# Altium PCB PCB.PcbDoc (part 1 of 3) (continued)
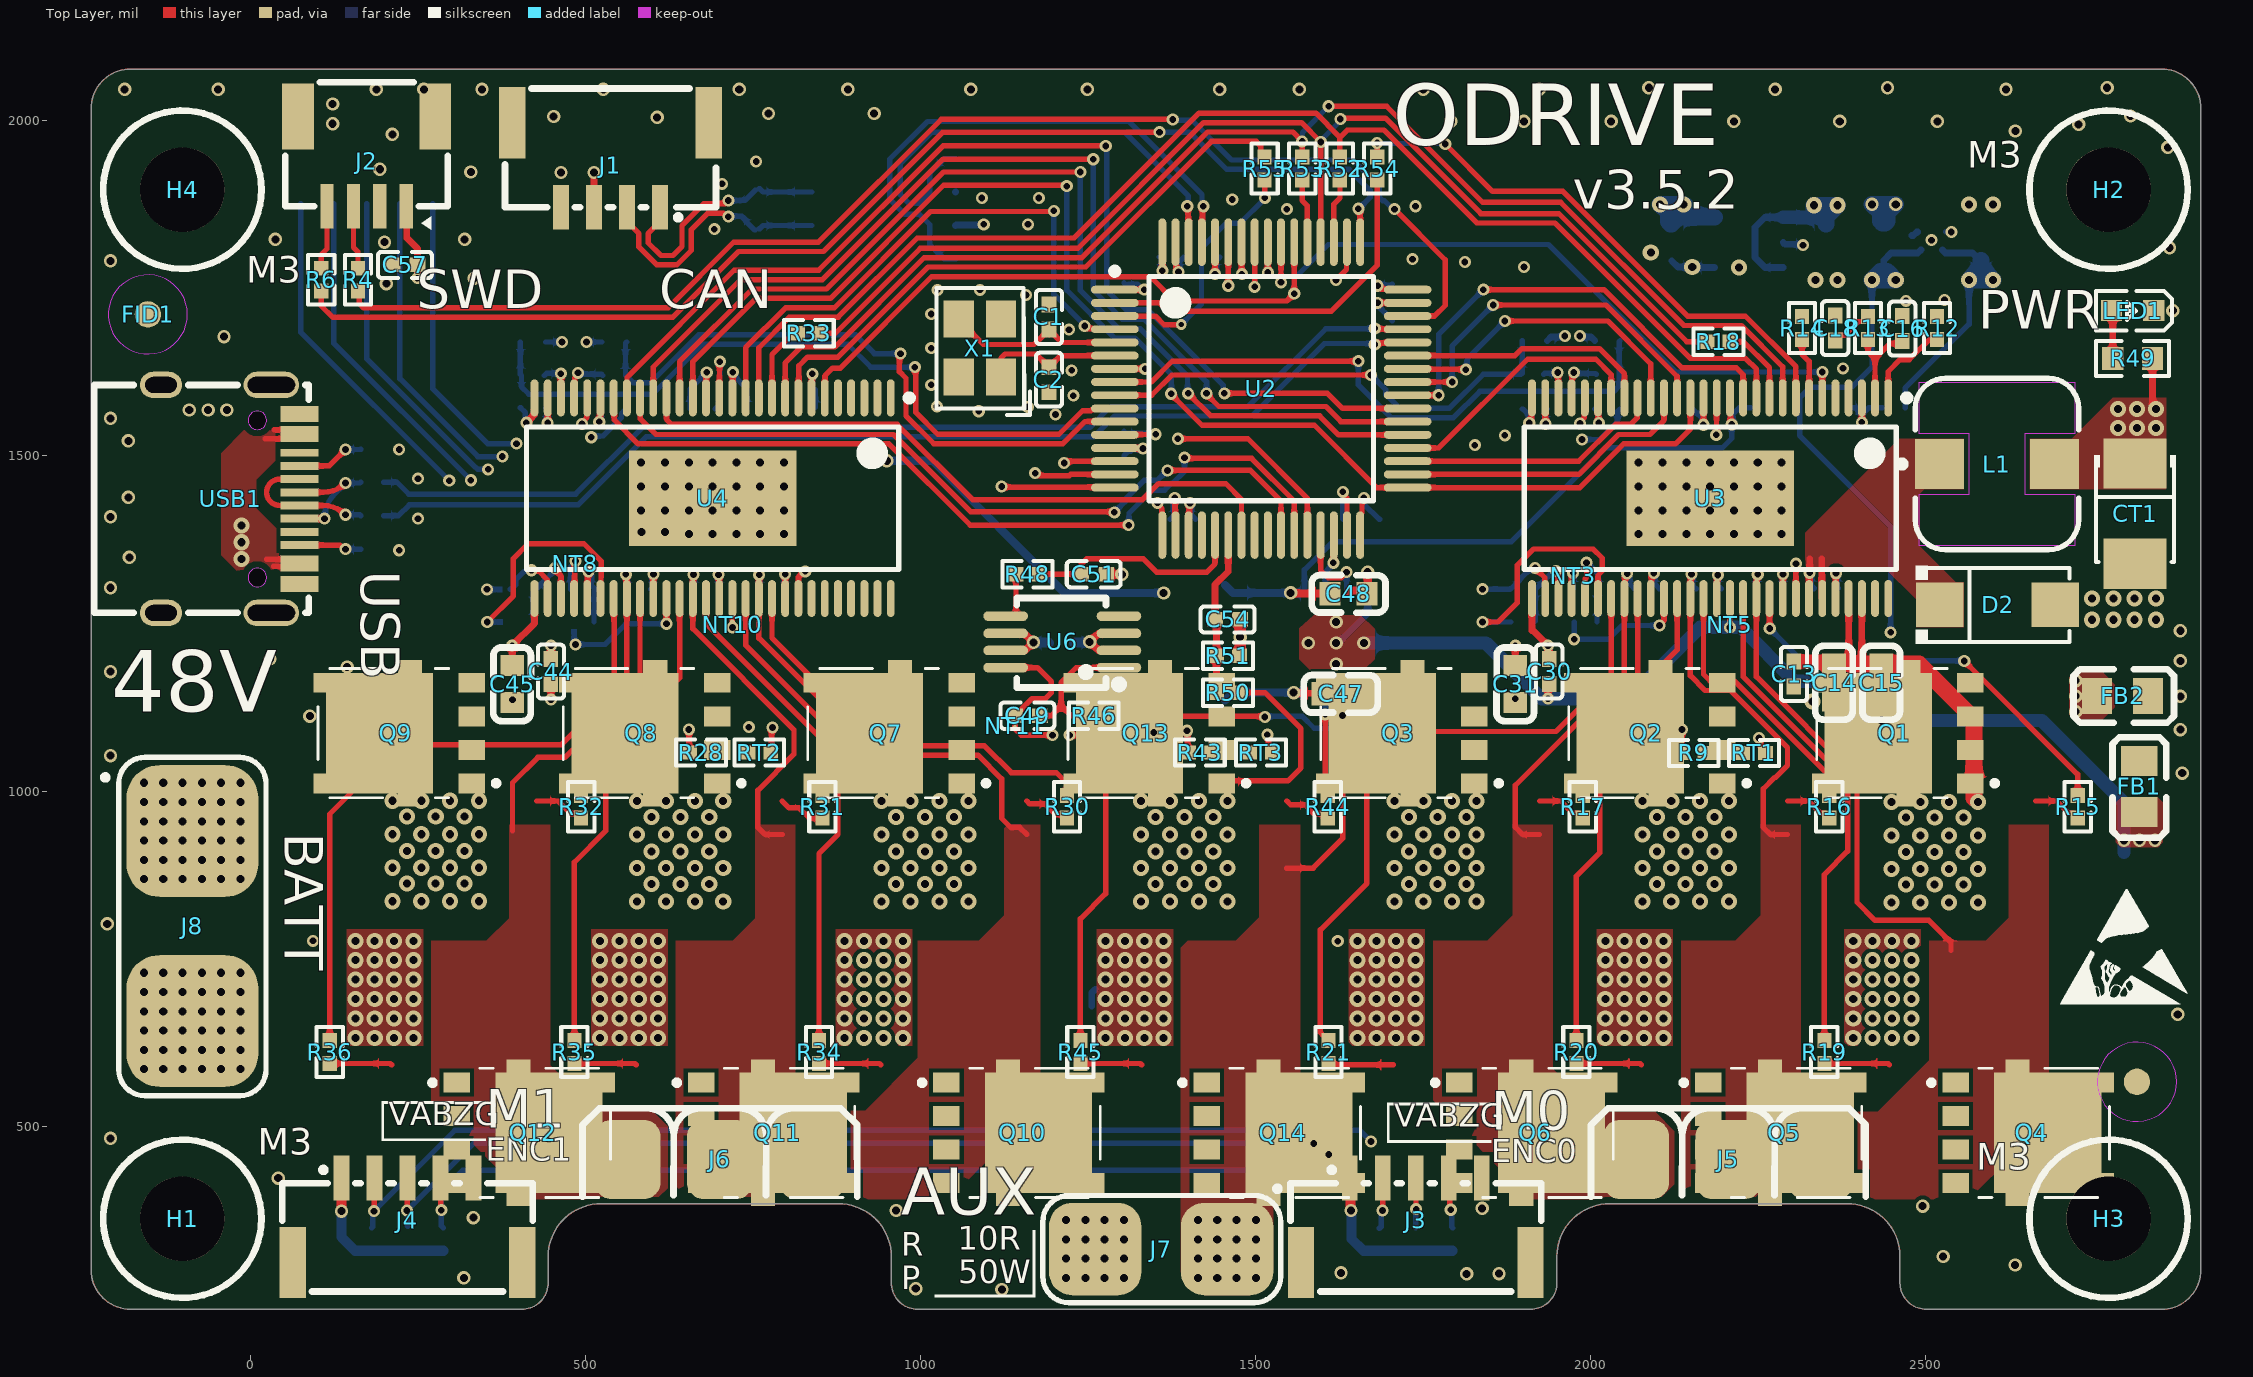
[diagram p0: Top Layer view]
## Design rules (kind name [scope] priority, off if disabled: settings)
AcuteAngle [All] p1: minimum=8.95990000000000E+0001 checktracksonly=TRUE
BoardOutlineClearance BoardOutlineClearance_Power [OnLayer('Signal')] p1: gap=40 ignorepadtopadclearanceinfootprint=FALSE
BoardOutlineClearance [All] p2: gap=10 ignorepadtopadclearanceinfootprint=FALSE except(0: Arc-SplitContinuation Track-SplitContinuation SMDPad-SplitContinuation THPad-SplitContinuation Via-SplitContinuation Fill-SplitContinuation Poly-SplitContinuation Region-SplitContinuation Text-SplitContinuation)
Clearance Clearance_NETTIE [IsNetTieComponent] p1: gap=0 ignorepadtopadclearanceinfootprint=TRUE
Clearance [All] p2: gap=6 ignorepadtopadclearanceinfootprint=TRUE
ComponentClearance [All] p1: gap=-3937.01 collisioncheckmode=3 verticalgap=100000 showdistances=FALSE
DiffPairsRouting DiffPair_DiffPairsRouting [InDifferentialPair ('CAN_MCU')] p1: maxlimit=20 minlimit=8 mostfreqgap=8 toplayer_minwidth=8 toplayer_maxwidth=20 toplayer_prefwidth=8 midlayer1_minwidth=8 midlayer1_maxwidth=20 midlayer1_prefwidth=8 midlayer2_minwidth=8 midlayer2_maxwidth=20 midlayer2_prefwidth=8 bottomlayer_minwidth=8 bottomlayer_maxwidth=20 bottomlayer_prefwidth=8 maxuncoupledlength=500
FanoutControl Fanout_LCC [IsLCC] p1: bgadir=Out bgaviamode=Centered fanoutstyle=Auto fanoutdirection=Alternating viagrid=1 // Fanout_LCC (Default Rule)
FanoutControl Fanout_SOIC [IsSOIC] p2: bgadir=Out bgaviamode=Centered fanoutstyle=Auto fanoutdirection=Alternating viagrid=1 // Fanout_SOIC (Default Rule)
FanoutControl Fanout_Small [(CompPinCount < 5)] p3: bgadir=Out bgaviamode=Centered fanoutstyle=Auto fanoutdirection=OutThenIn viagrid=1 // Fanout_Small (Default Rule)
FanoutControl Fanout_Default [All] p4: bgadir=Out bgaviamode=Centered fanoutstyle=Auto fanoutdirection=Alternating viagrid=1 // Fanout_Default (Default Rule)
HoleSize [All] p1: absolutevalues=TRUE maxlimit=250 minlimit=6 maxpercent=80.000 minpercent=20.000
HoleToHoleClearance [All] p1: gap=8 allowstackedmicrovias=TRUE
Length [All] p1: maxlimit=100000 minlimit=0
MatchedLengths DiffPair_MatchedLengths [InDifferentialPair ('CAN_MCU')] p1: tolerance=1000 checknetsindiffpair=FALSE checkdiffpairvsdiffpair=TRUE checkxsignals=TRUE checkothers=TRUE
MinimumAnnularRing [All] p1: minimumring=3
MinimumSolderMaskSliver MinimumSolderMaskSliver_USB [HasFootprint('USB-C-16P')] p1: minsoldermaskwidth=1
MinimumSolderMaskSliver MinimumSolderMaskSliver_Comp [HasFootprint('MSOP-8_L3.0-W3.0-P0.65-LS5.0-BL')] p2: minsoldermaskwidth=1
MinimumSolderMaskSliver MinimumSolderMaskSliver_NETTIE [HasFootprint('NETTIE_8MIL')] p3: minsoldermaskwidth=0
MinimumSolderMaskSliver MinimumSolderMaskSliver_RP [HasFootprint('RES-ARRAY-SMD_0603-8P-L3.2-W1.6-BL')] p4: minsoldermaskwidth=0.5
MinimumSolderMaskSliver MinimumSolderMaskSliver_RP_1 [HasFootprint('ZQFN-4L_L1.0-W1.0-P0.63-BL-EP')] p5: minsoldermaskwidth=0
MinimumSolderMaskSliver MinimumSolderMaskSliver_LDO [HasFootprint('SOT-23-5_L3.0-W1.7-P0.95-LS2.8-BR')] p6: minsoldermaskwidth=2
MinimumSolderMaskSliver [All] p7: minsoldermaskwidth=6
PlaneConnect [All] p1: planeconnectstyle=Direct reliefexpansion=20 reliefentries=4 reliefconductorwidth=10 reliefairgap=10
PolygonConnect PolygonConnect_GND [IsPad vs InNet('GND')] p1: connectstyle=Relief reliefconductorwidth=10 reliefentries=4 polygonreliefangle="90 Angle" airgapwidth=10
PolygonConnect [All] p2: connectstyle=Direct reliefconductorwidth=10 reliefentries=4 polygonreliefangle="90 Angle" airgapwidth=10
RoomDefinition U_Power [InComponentClass('U_Power')] p1: confinementstyle=ConfineIn formatcopy=TRUE lockcomponents=FALSE outline -2543.8,-846.4 -543.8,-846.4 -543.8,153.6 -2543.8,153.6
RoutingPriority RoutingPriority_Power [InNet('3V3')] p1: routingpriority=5
RoutingPriority RoutingPriority_Power_1 [InNet('A3V3')] p2: routingpriority=4
RoutingPriority RoutingPriority_Power_2 [InNet('DCBUS')] p3: routingpriority=3
RoutingPriority [All] p4: routingpriority=0
RoutingVias [All] p1: holewidth=10 width=20 viastyle="Through Hole" minholewidth=8 minwidth=10 maxholewidth=80 maxwidth=160
SilkToSilkClearance [All] p1: silktosilkclearance=0
SilkToSolderMaskClearance [IsPad] p1: minsilkscreentomaskgap=0 clearancetoexposedcopper=FALSE
SolderMaskExpansion SolderMaskExpansion_Pad [InPadClass('All Pads')] p1: expansion=4 istentingtop=FALSE
SolderMaskExpansion [All] p2: expansion=4 istentingtop=TRUE
SupplyNets "Schematic Supply Nets" [InNet('VCC16V8_DCBUS')] p1: voltage=0.000
SupplyNets "Schematic Supply Nets_12" [InNet('VCC3V3_ASYS')] p2: voltage=0.000
SupplyNets "Schematic Supply Nets_10" [InNet('VCC3V3_SYS')] p3: voltage=0.000
SupplyNets "Schematic Supply Nets_9" [InNet('VCC5V0_SYS')] p4: voltage=0.000
SupplyNets "Schematic Supply Nets_7" [InNet('AGND')] p5: voltage=0.000
SupplyNets "Schematic Supply Nets_6" [InNet('PGND')] p6: voltage=0.000
SupplyNets "Schematic Supply Nets_4" [InNet('GND')] p7: voltage=0.000
SupplyNets "Schematic Supply Nets_2" [InNet('GVDD')] p8: voltage=0.000
SupplyNets "Schematic Supply Nets_1" [InNet('USB_5V')] p9: voltage=0.000
UnRoutedNet UnRoutedNet_NETTIE [IsNetTieComponent] p1:
UnRoutedNet [All] p2: checkbadconnections=TRUE
Width Width_MOS [InComponent('U6')] p1: maxlimit=16 minlimit=6 preferedwidth=10 checkconnectedcopper=TRUE
Width Width_Driver [InComponent('U4') And InComponent('U5')] p2: maxlimit=16 minlimit=6 preferedwidth=8 checkconnectedcopper=TRUE
Width [All] p3: maxlimit=999 minlimit=6 preferedwidth=10
15 further rules are at their usual default settings.

## Classes and differential pairs
net class GPIO_[1..5]: GPIO_1 GPIO_2 GPIO_3 GPIO_4 GPIO_5
component class U_Port: C57 D1 J1 J2 J3 J4 J9 R1 R2 R3 R4 R6 R7 R56 R57 R58 R59 R60 R61 USB1
component class U_Power: C52 C53 C54 C55 C56 CE1 CE2 CE3 CE4 FB1 FB2 J8 LED1 R49 R50 R51 U7 U8
component class U_Control: C1 C2 C3 C4 C5 C6 C7 C8 C9 C10 C11 FID1 FID2 H1 H2 H3 H4 M3x4 R5 R8 R52 R53 R54 R55 U1 U2 X1
component class U_MotorCell_noPow: C32 C33 C34 C35 C36 C37 C38 C39 C40 C41 C42 C43 C44 C45 J6 NT6 NT7 NT8 NT9 NT10 Q7 Q8 Q9 Q10 Q11 Q12 R28 R29 R30 R31 R32 R33 R34 R35 R36 R37 R38 R39 R40 R41 R42 RT2 U4
component class U_MotorCell: C12 C13 C14 C15 C16 C17 C18 C19 C20 C21 C22 C23 C24 C25 C26 C27 C28 C29 C30 C31 CT1 D2 J5 L1 NT1 NT2 NT3 NT4 NT5 Q1 Q2 Q3 Q4 Q5 Q6 R9 R10 R11 R12 R13 R14 R15 R16 R17 R18 R19 R20 R21 R22 R23 R24 R25 R26 R27 RT1 U3
component class U_AuxHalfH: C46 C47 C48 C49 C50 C51 D3 J7 NT11 Q13 Q14 R43 R44 R45 R46 R47 R48 RT3 U5 U6
differential pair CAN: +CAN_P -CAN_N
differential pair CAN_MCU: +CAN_MCU_P -CAN_MCU_N
differential pair OSC: +OSC_P -OSC_N
differential pair USB: +USB_P -USB_N
differential pair SENSE: +SENSE_P -SENSE_N

## Components (designator, comment, footprint, x,y, rotation, side; value= is the part's Value field where it differs from the comment)
C1 "10pF ±5%_X7R" C0402 1191.93,1688.57 r90 top
C2 "10pF ±5%_X7R" C0402 1191.93,1632.38 r270 top
C3 "100nF ±5%_X7R" C0402 1722.61,1405.67 r180 bottom
C4 "100nF ±5%_X7R" C0402 1373.08,1405.67 r0 bottom
C5 "F ±5%_X7R" C0402 1303.81,1795.56 r270 bottom
C6 "F ±5%_X7R" C0402 1703.81,1793.61 r270 bottom
C7 "F ±5%_X7R" C0402 1393.81,1796.8 r180 bottom
C8 "100nF ±5%_X7R" C0402 1303.81,1536.8 r270 bottom
C9 "2.2uF ±5%_X7R" C0603 1703.81,1664.43 r90 bottom
C10 "2.2uF ±5%_X7R" C0603 1593.71,1405.67 r0 bottom
C11 "100nF ±5%_X7R" C0402 1303.81,1596.8 r90 bottom
C12 "2.2uF ±5%_X7R" C0402 1530.93,1512 r270 bottom
C13 "100nF ±5%_X7R" C0402 2303.38,1155.89 r90 top
C14 "4.7uF ±5%_X7R" C0603 2363.32,1161.8 r90 top
C15 "4.7uF ±5%_X7R" C0603 2433.81,1161.8 r90 top
C16 "82pF ±5%_X7R" C0402 2465.02,1708.64 r270 top
C17 "100nF ±5%_X7R" C0402 2332.45,1302.56 r0 bottom
C18 "270pF ±5%_X7R" C0402 2364.93,1709.43 r270 top
C19 "100nF ±5%_X7R" C0402 2245.05,1301.8 r0 bottom
C20 "100nF ±5%_X7R" C0402 2157.64,1301.8 r0 bottom
C21 "2.2uF ±5%_X7R" C0603 2276.21,1571.8 r180 bottom
C22 "22nF ±5%_X7R" C0603 2188.12,1571.11 r180 bottom
C23 "100nF ±5%_X7R" C0402 2066.21,1301.8 r0 bottom
C24 "2.2uF ±5%_X7R" C0603 2006.41,1569.96 r0 bottom
C25 "2.2nF ±5%_X7R" C0402 1974,1301.8 r0 bottom
C26 "2.2nF ±5%_X7R" C0402 1880.12,1301.8 r0 bottom
C27 "2.2nF ±5%_X7R" C0402 2006.41,1671.8 r0 bottom
C28 "2.2nF ±5%_X7R" C0402 1935.27,1671.8 r180 bottom
C29 "2.2uF ±5%_X7R" C0603 1897.87,1569.96 r0 bottom
C30 "100nF ±5%_X7R" C0402 1938.23,1159.52 r90 top
C31 "4.7uF ±5%_X7R" C0603 1887.71,1159.52 r90 top
C32 "2.2uF ±5%_X7R" C0402 1424.25,1512 r270 bottom
C33 "100nF ±5%_X7R" C0402 759.93,1300.85 r0 bottom
C34 "100nF ±5%_X7R" C0402 662.33,1300.85 r0 bottom
C35 "2.2uF ±5%_X7R" C0603 778.81,1569.96 r180 bottom
C36 "22nF ±5%_X7R" C0402 693.81,1569.96 r180 bottom
C37 "100nF ±5%_X7R" C0402 567.86,1300.85 r0 bottom
C38 "2.2uF ±5%_X7R" C0603 524.42,1569.96 r0 bottom
C39 "2.2nF ±5%_X7R" C0402 478.01,1300.85 r0 bottom
C40 "2.2nF ±5%_X7R" C0402 388.29,1300.85 r0 bottom
C41 "2.2nF ±5%_X7R" C0402 524.42,1669.99 r0 bottom
C42 "2.2nF ±5%_X7R" C0402 440.68,1669.99 r180 bottom
C43 "2.2uF ±5%_X7R" C0603 403.27,1569.96 r0 bottom
C44 "100nF ±5%_X7R" C0402 448.81,1159.52 r90 top
C45 "4.7uF ±5%_X7R" C0603 390.98,1159.52 r90 top
C46 "2.2uF ±5%_X7R" C0402 1480.85,1511.65 r270 bottom
C47 "100nF ±5%_X7R" C0603 1626.93,1145.08 r180 top
C48 "2.2uF ±5%_X7R" C0603 1638.74,1294.26 r180 top
C49 "2.2uF ±5%_X7R" C0402 1141.08,1112.39 r0 top
C50 "100nF ±5%_X7R" C0402 1229.31,1221.01 r180 bottom
C51 "2.2uF ±5%_X7R" C0402 1277.38,1323.57 r180 top
C52 "1uF ±5%_X7R" C0603 2582.58,1819.56 r270 bottom
C53 "1uF ±5%_X7R" C0603 2437.58,1819.56 r270 bottom
C54 "2.2uF ±5%_X7R" C0402 1477.12,1255.97 r180 top
C55 "10uF ±5%_X7R" C0603 2351.09,1818.61 r90 bottom
C56 "10uF ±5%_X7R" C0603 2121.09,1818.61 r90 bottom
C57 "100nF ±5%_X7R" C0402 212.3,1784.94 r0 top
CE1 "470uF / 35V" CAP_ELEC_SIZE_G 425.69,789.51 r0 bottom
CE2 "470uF / 35V" CAP_ELEC_SIZE_G 1139.69,789.51 r0 bottom
CE3 "470uF / 35V" CAP_ELEC_SIZE_G 2605.69,789.51 r0 bottom
CE4 "470uF / 35V" CAP_ELEC_SIZE_G 1883.69,789.51 r0 bottom
CT1 "68uF ±10% 10V" CAP-SMD-R-RD 2812.33,1413.85 r90 top value=330uF
D1 "B340A-13-F" SMA_L4.4-W2.6-LS5.0-RD -62.67,1435.85 r270 bottom
D2 "B340A-13-F" SMA_L4.4-W2.6-LS5.0-RD 2607.33,1277.85 r0 top
D3 "B340A-13-F" SMA_L4.4-W2.6-LS5.0-RD 1454.53,1221.21 r90 bottom
FB1 "?Ω@100MHz" L0805 2818.81,1006.8 r90 top
FB2 "?Ω@100MHz" L0805 2793.81,1141.8 r180 top
FID1 "MARK Point" FIDUCIAL -152.53,1711.07 r0 top
FID2 "MARK Point" FIDUCIAL 2815.22,566.12 r90 bottom
H1 "M3" M3_NPTH -101.19,361.8 r0 top
H2 "M3" M3_NPTH 2772.83,1897.23 r0 top
H3 "M?" M3_NPTH 2772.83,361.8 r0 top
H4 "M3" M3_NPTH -101.19,1897.23 r0 top
J1 "GH1.25-4P" GH1.25-4P 538.81,1945.94 r180 top
J2 "SH1.0-4P" CONN-SMD_4P-P1.00_BX-SH1.0-4PWT 173.81,1939.4 r180 top
J3 "GH1.25-5P" GH1.25-5P 1739.17,359.68 r0 top
J4 "GH1.25-5P" GH1.25-5P 234.75,359.68 r0 top
J5 "MR30PB-F" "MR30PB-F [Straight] [SMT]" 2205.7,391.69 r180 top
J6 "MR30PB-F" "MR30PB-F [Straight] [SMT]" 701.01,391.69 r180 top
J7 "2square_pads" 2pads_square 1457.69,316.51 r270 top
J8 "XT60_2pads" XT60_2pads -86.19,940.26 r270 top
J9 "GH1.25-6P" GH1.25-6P 198.81,1939.4 r0 bottom
L1 "22uH, 2A" WE-PD_6050R 2606.33,1487.85 r0 top
LED1 "Green" LED0603-RD 2808.81,1716.8 r180 top
NT1 "?mil" NETTIE_8MIL#1 1975.41,1234.48 r270 bottom net-tie
NT2 "?mil" NETTIE_8MIL#1 1861.7,1252.11 r180 bottom net-tie
NT3 "?mil" NETTIE_8MIL#2 1974,1325.52 r270 top net-tie
NT4 "?mil" NETTIE_8MIL#1 1861.7,1301.19 r180 bottom net-tie
NT5 "?mil" NETTIE_8MIL#1 2207.79,1252.11 r270 top net-tie
NT6 "?mil" NETTIE_8MIL#1 483.36,1241.62 r270 bottom net-tie
NT7 "?mil" NETTIE_8MIL#1 376.76,1252.25 r180 bottom net-tie
NT8 "?mil" NETTIE_8MIL#2 485.36,1343.31 r270 top net-tie
NT9 "?mil" NETTIE_8MIL#1 376.48,1300.85 r180 bottom net-tie
NT10 "?mil" NETTIE_8MIL#1 719.58,1243.82 r90 top net-tie
NT11 "?mil" NETTIE_8MIL#1 1141.08,1093.56 r90 top net-tie
Q1 "NTMFS4935NT1G" NRVTS10100EMFST1G 2567.53,1011.39 r90 top
Q2 "NTMFS4935NT1G" NRVTS10100EMFST1G 2197.53,1011.39 r90 top
Q3 "NTMFS4935NT1G" NRVTS10100EMFST1G 1827.53,1011.39 r90 top
Q4 "NTMFS4935NT1G" NRVTS10100EMFST1G 2543.84,565 r270 top
Q5 "NTMFS4935NT1G" NRVTS10100EMFST1G 2174.5,565 r270 top
Q6 "NTMFS4935NT1G" NRVTS10100EMFST1G 1803.47,565 r270 top
Q7 "NTMFS4935NT1G" NRVTS10100EMFST1G 1062.53,1011.39 r90 top
Q8 "NTMFS4935NT1G" NRVTS10100EMFST1G 697.53,1011.39 r90 top
Q9 "NTMFS4935NT1G" NRVTS10100EMFST1G 331.53,1011.39 r90 top
Q10 "NTMFS4935NT1G" NRVTS10100EMFST1G 1038,565 r270 top
Q11 "NTMFS4935NT1G" NRVTS10100EMFST1G 672,565 r270 top
Q12 "NTMFS4935NT1G" NRVTS10100EMFST1G 307.47,565 r270 top
Q13 "NTMFS4935NT1G" NRVTS10100EMFST1G 1450.53,1011.39 r90 top
Q14 "NTMFS4935NT1G" NRVTS10100EMFST1G 1426.47,565 r270 top
R1 "22Ω ±1% 62.5mW" R0402 182.33,1410.85 r0 bottom
R2 "22Ω ±1% 62.5mW" R0402 182.33,1460.85 r0 bottom
R3 "5.1kΩ ±1% 62.5mW" R0402 182.33,1509.75 r180 bottom
R4 "22Ω ±1% 62.5mW" R0402 160.99,1762.9 r90 top
R5 "120Ω ±1% 100mW" R0603 753.81,1866.8 r90 bottom
R6 "22Ω ±1% 62.5mW" R0402 106.08,1762.9 r270 top
R7 "5.1kΩ ±1% 62.5mW" R0402 182.33,1360.85 r0 bottom
R8 "47kΩ ±1% 100mW" R0402 1463.81,1796.8 r0 bottom
R9 "3.3kΩ ±1% 62.5mW" R0402 2153.94,1056.8 r180 top
R10 "18kΩ ±1% 100mW" R0402 2452.33,1571.8 r0 bottom
R11 "3.3kΩ ±1% 100mW" R0402 2367.33,1571.8 r0 bottom
R12 "220kΩ ±1% 100mW" R0402 2516.96,1690.68 r90 top
R13 "47kΩ ±1% 100mW" R0402 2413.82,1690.68 r270 top
R14 "18kΩ ±1% 100mW" R0402 2315.48,1690.68 r90 top
R15 "2.2Ω ±1% 100mW" R0402 2726.79,976.51 r270 top
R16 "2.2Ω ±1% 100mW" R0402 2356.16,976.51 r270 top
R17 "2.2Ω ±1% 100mW" R0402 1988.29,976.51 r270 top
R18 "22Ω ±1% 100mW" R0402 2190.75,1670.31 r0 top
R19 "2.2Ω ±1% 100mW" R0402 2348.84,610.51 r270 top
R20 "2.2Ω ±1% 100mW" R0402 1978.84,610.51 r270 top
R21 "2.2Ω ±1% 100mW" R0402 1608.84,610.51 r270 top
R22 "120Ω ±1% 62.5mW" R0402 1992.45,1252.11 r0 bottom
R23 "500uΩ ±1% 200mW" R2512 2216.41,692.51 r180 bottom
R24 "500uΩ ±1% 200mW" R2512 1544.97,694.51 r0 bottom
R25 "22Ω ±1% 62.5mW" R0402 2025.51,1621.8 r0 bottom
R26 "22Ω ±1% 62.5mW" R0402 1913.22,1621.8 r180 bottom
R27 "120Ω ±1% 62.5mW" R0402 1897.87,1252.11 r0 bottom
R28 "3.3kΩ ±1% 62.5mW" R0402 672.57,1057.43 r0 top
R29 "18kΩ ±1% 100mW" R0402 857.98,1569.96 r0 bottom
R30 "2.2Ω ±1% 100mW" R0402 1218.84,976.51 r90 top
R31 "2.2Ω ±1% 100mW" R0402 853.84,976.51 r90 top
R32 "2.2Ω ±1% 100mW" R0402 493.84,976.51 r90 top
R33 "22Ω ±1% 100mW" R0402 833.6,1683.04 r180 top
R34 "2.2Ω ±1% 100mW" R0402 848.84,610.51 r90 top
R35 "2.2Ω ±1% 100mW" R0402 483.84,610.51 r90 top
R36 "2.2Ω ±1% 100mW" R0402 118.84,610.51 r90 top
R37 "120Ω ±1% 62.5mW" R0402 495.99,1252.25 r0 bottom
R38 "500uΩ ±1% 200mW" R2512 716.69,693.51 r180 bottom
R39 "500uΩ ±1% 200mW" R2512 162.69,693.51 r0 bottom
R40 "22Ω ±1% 62.5mW" R0402 543.12,1619.97 r0 bottom
R41 "22Ω ±1% 62.5mW" R0402 421.97,1619.97 r180 bottom
R42 "120Ω ±1% 62.5mW" R0402 404.93,1252.25 r0 bottom
R43 "3.3kΩ ±1% 62.5mW" R0402 1416.99,1057.43 r0 top
R44 "2.2Ω ±1% 100mW" R0402 1607.97,976.51 r90 top
R45 "2.2Ω ±1% 100mW" R0402 1238.81,610.51 r90 top
R46 "120Ω ±1% 62.5mW" R0402 1258.68,1112.39 r180 top
R47 "500uΩ ±1% 200mW" R2512 1258.81,466.8 r90 bottom
R48 "120Ω ±1% 62.5mW" R0402 1159.78,1323.57 r180 top
R49 "10kΩ ±1% 100mW" R0603 2808.81,1645.45 r0 top
R50 "10kΩ ±1% 62.5mW" R0402 1458.81,1146.8 r0 top
R51 "1kΩ ±1% 62.5mW" R0402 1458.81,1201.8 r180 top
R52 "22Ω ±1% 62.5mW" R0402 1625.63,1928.7 r270 top
R53 "22Ω ±1% 62.5mW" R0402 1569.62,1928.7 r270 top
R54 "22Ω ±1% 62.5mW" R0402 1681.64,1928.7 r270 top
R55 "22Ω ±1% 62.5mW" R0402 1513.61,1928.7 r270 top
R56 "3.3kΩ ±1% 62.5mW" R0402 1684.94,331.07 r270 bottom
R57 "3.3kΩ ±1% 62.5mW" R0402 1739.61,331.07 r270 bottom
R58 "3.3kΩ ±1% 62.5mW" R0402 1794.29,331.07 r270 bottom
R59 "3.3kΩ ±1% 62.5mW" R0402 181.29,331.07 r270 bottom
R60 "3.3kΩ ±1% 62.5mW" R0402 234.75,331.07 r270 bottom
R61 "3.3kΩ ±1% 62.5mW" R0402 288.2,331.07 r270 bottom
RT1 "NTC_10kΩ ±1% 100mW" R0402 2243.81,1056.8 r180 top
RT2 "NTC_10kΩ ±1% 100mW" R0402 759.72,1057.43 r180 top
RT3 "NTC_10kΩ ±1% 100mW" R0402 1508.07,1057.43 r180 top
U1 "SN65HVD232D" SOIC127P600X175-8N 945.26,1868.8 r180 bottom
U2 "STM32F405RGT6" STM-LQFP64_N 1508.61,1600.36 r0 top
U3 "DRV8301" TSSOP50P810X120_HS-57N 2178.38,1436.9 r270 top
U4 "DRV8301" TSSOP50P810X120_HS-57N 690.05,1436.9 r270 top
U5 "LM5109" SON80P400X80_HS-9N 1620.28,1220.81 r270 bottom
U6 "AD8418" MSOP-8_L3.0-W3.0-P0.65-LS5.0-BL 1211.83,1222.53 r90 top
U7 "LP5907MFX-3.3_NOPB" SOT95P280X145-5N 2508.8,1821.88 r90 bottom
U8 "ME6217C33M5G" SOT-23-5_L3.0-W1.7-P0.95-LS2.8-BR 2236.09,1818.61 r0 bottom
USB1 "USB-C 16P" USB-C-16P -32.67,1435.85 r270 top locked
X1 "8MHz ±10ppm_10pF" CRYSTAL_3225 1088.93,1660.79 r90 top

## Footprints (in the part's own frame and the unit in brackets; to place one, negate y for a bottom-side part, rotate by r counter-clockwise, add the part's x,y. Pads: shape width x height; smd on the part's side, far side on the other; paste and mask are expansions set on the pad)
2pads_square [mm]
  rrect50% 3.5x3.5 smd: 1(0,0) 2(0,-5)
  silkscreen extent -2.39,-6.98 2.03,2.03
C0402 [mm]
  rect 0.6x0.55 smd paste-100 mask+0.051: 1(0,0) 2(0.95,0)
  silkscreen extent -0.55,-0.5 1.5,0.5, body extent -0.02,-0.25 0.98,0.25, height 0.5
C0603 [mm]
  rect 0.8x0.9 smd mask+0.051: 1(-0.7,0) 2(0.7,0)
  silkscreen extent -1.41,-0.71 1.39,0.72, body extent -0.8,-0.4 0.8,0.4, height 0.8
CAP-SMD-R-RD [mm] "CASE-B-3528"
  rect 1.9x2.376 smd mask+0.051: 1(1.899,0) 2(-1.899,0)
  silkscreen extent -1.83,-1.55 2.21,1.55, body extent -1.82,-1.4 1.88,1.4, height 2
CAP_ELEC_SIZE_G [mm] "Capacitor, polarized, aluminum can; 10.0x10.2mm DxH"
  round 0.635 on Mech15: 0(0,0)
  rrect25% 2x4.1 smd: 1(0,-4.35) 2(0,4.35)
  silkscreen extent -5.4,-5.4 5.4,5.3, body extent -5.25,-6 5.25,6, height 10.5
CONN-SMD_4P-P1.00_BX-SH1.0-4PWT [mm]
  rect 0.5x1.7 smd paste+0 mask+0.05: 1(-1.5,1.7) 2(-0.5,1.7) 3(0.5,1.7) 4(1.5,1.7)
  rect 1.2x2.5 smd paste+0 mask+0.05: 5(2.6,-1.7) 6(-2.6,-1.7)
  silkscreen extent -3.08,-3 3.08,2.59
CRYSTAL_3225 [mm] "4P-L3.2-W2.5-BL-2"
  rect 1.4x1.15 smd paste+0 mask+0.051: 1(-1.1,-0.8) 3(1.1,0.8) G(-1.1,0.8) G(1.1,-0.8)
  silkscreen extent -2.54,-1.9 2.29,1.65, body extent -1.6,-1.26 1.6,1.24, height 0.81